# Altium PCB PCB.PcbDoc (part 6 of 10) (continued)
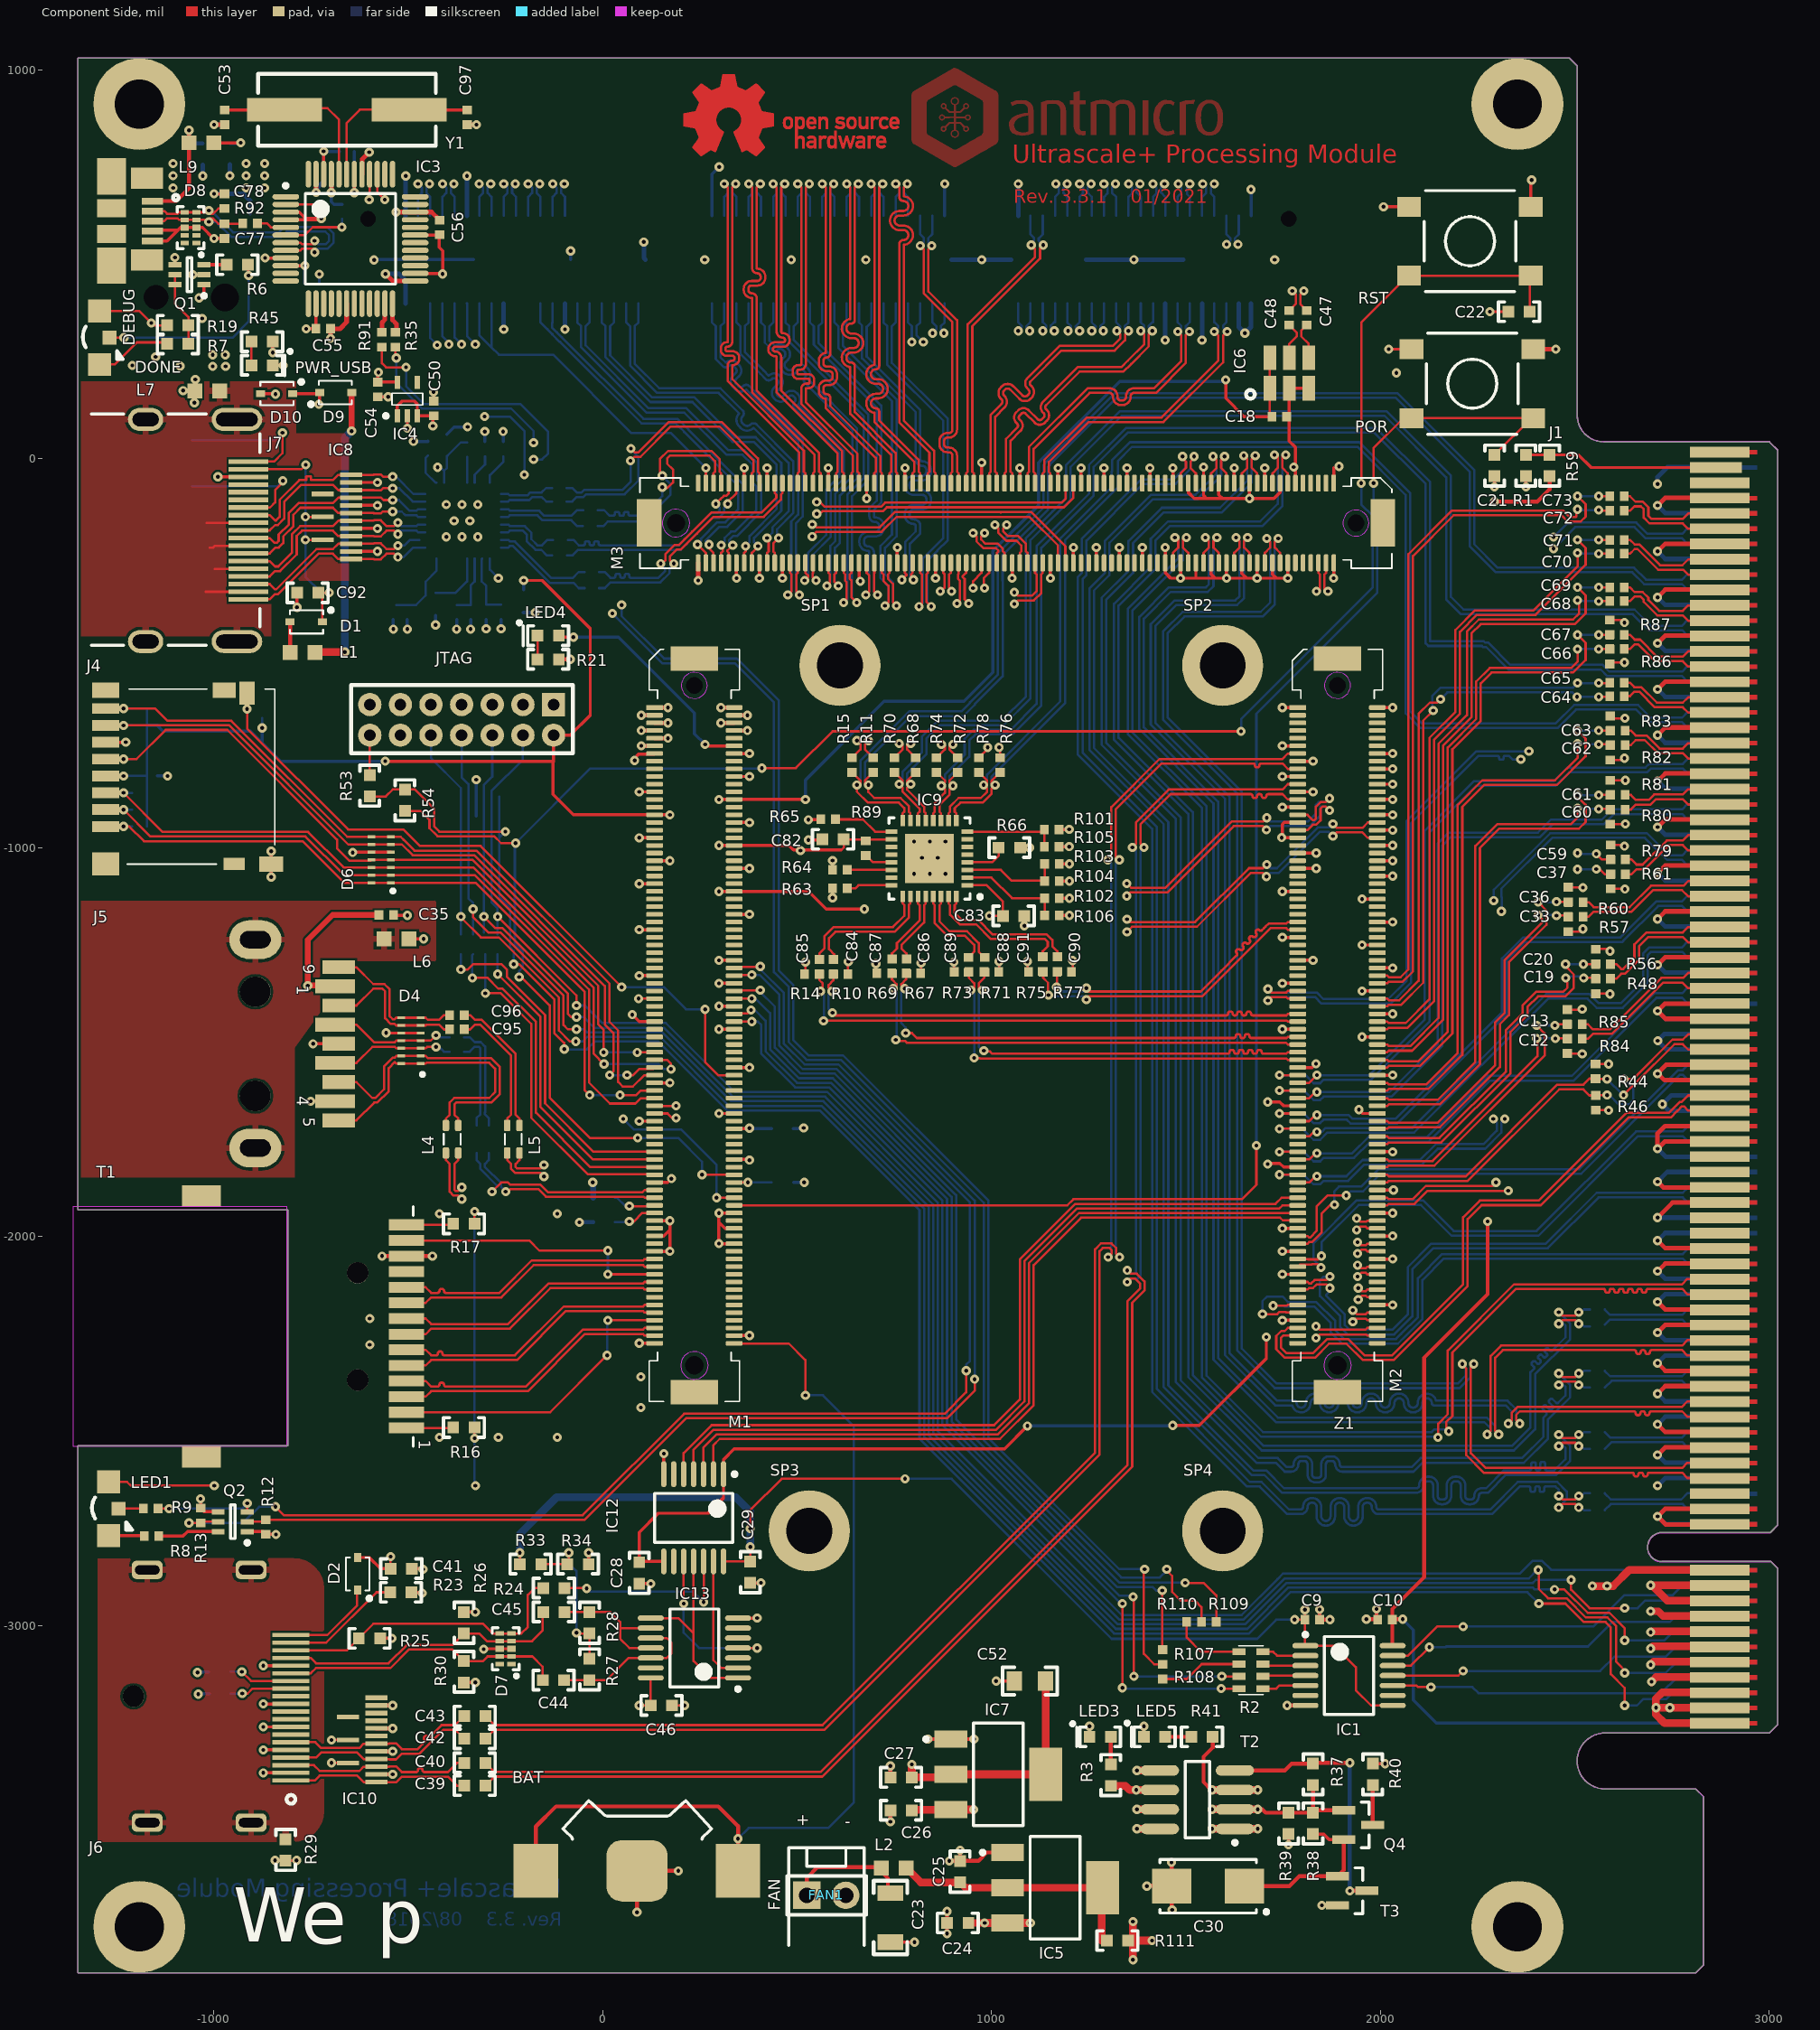
[diagram p0: Component Side view]
## Nets (pads, with @x,y where several pads share a name; then routed paths per layer and width w, separated by ;. In a path a pad name is that pad's centre, name@x,y a point inside that pad or via, vN(x,y) a via of type N, cw(c..) or ccw(c..) an arc to the next point about the centre after c; other vN are vias at no path point) (continued)
PREPROC_LVDS_SSCLK_N: C59.2 M2.132 R79.2 | length 1670.8
  Component Side w5.91: M2.132@1992.13,-1919.29 2017.69,-1919.29 2021.63,-1915.35 2087.6,-1915.35 2121.06,-1881.89 v1@2324.8,-1881.89 ; v1(2555.12,-1015.75) 2569.82,-1030.45 C59.2@2592.13,-1030.45
  Power Plane w5.91: v1(2328.74,-1881.89) 2328.74,-1862.5 2305.81,-1839.57 2301.16,-1839.57 2228.35,-1766.76 2228.35,-1110.24 2291.34,-1047.24 2456.69,-1047.24 2490.64,-1081.19 2519.21,-1081.19 2532.48,-1067.91 2532.48,-1039.37 v1(2506.89,-1013.78)
  Solder Side w5.91: v1(2506.89,-1013.78) 2508.86,-1015.75 v1(2555.12,-1015.75)
PREPROC_LVDS_SSCLK_P: C37.2 M2.130 R61.2 | length 1531.4
  Component Side w5.91: M2.130@1992.13,-1899.61 2017.69,-1899.61 2021.63,-1903.54 2082.7,-1903.54 2117.15,-1869.09 2288.39,-1869.09 v1(2297.24,-1860.24) ; v1(2555.12,-1055.12) 2564.01,-1055.12 2576.75,-1067.85 C37.2@2592.13,-1067.85
  Power Plane w5.91: v1(2297.24,-1860.24) 2297.24,-1855.34 2216.54,-1774.63 2216.54,-1105.34 2286.45,-1035.43 2461.59,-1035.43 2481.8,-1055.65 v1(2506.89,-1055.65)
  Solder Side w5.91: v1(2506.89,-1055.65) 2507.42,-1055.12 v1(2555.12,-1055.12)
PROC_2_BP_SCL: J1.A82
PROC_2_BP_SDA: J1.B82
PROC_LVDS_0_N: J1.A77 M2.77 | length 2345.6
  Component Side w5.91: v1(1710.63,-1392.72) 1719.49,-1383.86 1757.85,-1383.86 1761.79,-1387.8 M2.77@1787.4,-1387.8
  Power Plane w5.91: v1(2361.01,-772.85) 2361.01,-256.14 2406.53,-210.63 2436.02,-210.63 v1(2444.88,-201.77)
  Solder Side w5.91: v1(1710.63,-1392.72) 1719.49,-1383.86 1831.72,-1383.86 1848.45,-1400.59 2025.56,-1400.59 2078.74,-1347.41 2078.74,-937.01 2251.97,-763.78 2300.98,-763.78 cw(c2300.98,-767.91) 2305.12,-767.91 2305.12,-769.65 ccw(c2309.25,-769.65) 2309.25,-773.78 2312.8,-773.78 ccw(c2312.8,-769.65) 2316.93,-769.65 2316.93,-767.91 cw(c2321.06,-767.91) 2321.06,-763.78 2330.71,-763.78 2339.78,-772.85 v1(2361.01,-772.85) ; v1(2444.88,-201.77) 2479.33,-167.32 2492.16,-167.32 2495.61,-163.86 2657.96,-163.86 2687.01,-192.91 2775.56,-192.91 2789.34,-179.13 J1.A77@2870.08,-179.13
PROC_LVDS_0_P: J1.A76 M2.75 | length 2320.5
  Component Side w5.91: v1(1710.63,-1363.19) 1719.49,-1372.05 1757.85,-1372.05 1761.79,-1368.11 M2.75@1787.4,-1368.11
  Power Plane w5.91: v1(2381.89,-751.97) 2381.89,-734.25 2372.82,-725.18 2372.82,-261.04 2411.42,-222.44 2436.02,-222.44 v1(2444.88,-231.3)
  Solder Side w5.91: v1(1710.63,-1363.19) 1719.49,-1372.05 1836.61,-1372.05 1853.35,-1388.78 2020.67,-1388.78 2066.93,-1342.52 2066.93,-932.12 2247.08,-751.97 v1(2381.89,-751.97) ; v1(2444.88,-231.3) 2500.51,-175.67 2653.07,-175.67 2682.12,-204.72 2775.56,-204.72 2789.34,-218.5 J1.A76@2870.08,-218.5
PROC_LVDS_1_N: IC9.16 J1.A74 R15.2 | length 3468.9
  Component Side w5.91: R15.2@641.79,-806.3 663.02,-827.53 663.02,-836.61 661.05,-838.58 v1(654.16,-838.58) 654.16,-855.9 682.12,-883.86 761.81,-883.86 775.65,-897.69 775.65,-907.49 771.71,-911.43 IC9.16@771.71,-930.12
  Solder Side w5.91: v1(654.16,-838.58) 663.02,-829.72 663.02,-775.96 742.13,-696.85 742.13,-695.9 788.41,-649.61 923.23,-649.61 944.88,-627.95 944.88,-626.45 1016.86,-554.48 1016.86,-318.36 1016.8,-318.29 1016.8,-242.53 1133.86,-125.47 1133.86,-16.22 1138.78,-11.29 1138.78,-10.17 1317.76,168.81 2043.78,168.81 2241.17,-28.57 2241.17,-219.54 2301.63,-280.01 2652.05,-280.01 2683.07,-311.02 2775.56,-311.02 2789.34,-297.24 J1.A74@2870.08,-297.24
PROC_LVDS_1_P: IC9.15 J1.A73 R11.2 | length 3435.1
  Component Side w5.91: R11.2@696.06,-806.3 674.83,-827.53 674.83,-836.61 676.8,-838.58 v1(683.69,-838.58) 683.69,-856.92 698.82,-872.05 766.7,-872.05 787.46,-892.8 787.46,-907.49 791.39,-911.43 IC9.15@791.39,-930.12
  Solder Side w5.91: v1(683.69,-838.58) 674.83,-829.72 674.83,-780.85 753.94,-701.74 753.94,-700.79 793.31,-661.42 928.12,-661.42 956.69,-632.84 956.69,-631.34 1028.67,-559.37 1028.67,-313.46 1028.61,-313.4 1028.61,-247.42 1145.67,-130.36 1145.67,-21.11 1150.59,-16.19 1150.59,-15.06 1322.65,157 2038.89,157 2229.36,-33.46 2229.36,-224.44 2296.74,-291.82 2647.16,-291.82 2678.18,-322.83 2775.56,-322.83 2789.34,-336.61 J1.A73@2870.08,-336.61
PROC_LVDS_2_N: IC9.14 J1.A71 R70.2 | length 3410.3
  Component Side w5.91: R70.2@750.34,-806.3 771.57,-827.53 771.57,-834.65 769.6,-836.61 v1(762.71,-836.61) 771.57,-845.47 771.57,-855.99 815.02,-899.44 815.02,-907.49 811.08,-911.43 IC9.14@811.08,-930.12
  Solder Side w5.91: v1(762.71,-836.61) 771.57,-827.76 771.57,-804.16 820.87,-754.86 820.87,-714.62 862.26,-673.23 1026.6,-673.23 1088.58,-611.25 1088.58,-204.15 1157.48,-135.25 1157.48,-134.87 1191.93,-100.42 1191.93,-16.07 1330.05,122.05 2015.72,122.05 2181.1,-43.34 2181.1,-355.29 2213.61,-387.8 2653.54,-387.8 2694.88,-429.13 2775.56,-429.13 2789.34,-415.35 J1.A71@2870.08,-415.35
PROC_LVDS_2_P: IC9.13 J1.A70 R68.2 | length 3391.9
  Component Side w5.91: R68.2@804.61,-806.3 783.38,-827.53 783.38,-834.65 785.35,-836.61 v1(792.24,-836.61) 783.38,-845.47 783.38,-851.1 826.83,-894.55 826.83,-907.49 830.76,-911.43 IC9.13@830.76,-930.12
  Solder Side w5.91: v1(792.24,-836.61) 783.38,-827.76 783.38,-809.06 832.68,-759.76 832.68,-719.52 867.16,-685.04 1031.5,-685.04 1100.39,-616.14 1100.39,-209.04 1169.29,-140.14 1169.29,-139.76 1203.74,-105.31 1203.74,-20.97 1334.94,110.24 2010.83,110.24 2169.29,-48.23 2169.29,-362.2 2206.69,-399.61 2648.65,-399.61 2689.99,-440.94 2775.56,-440.94 2789.34,-454.72 J1.A70@2870.08,-454.72
PROC_LVDS_3_N: IC9.12 J1.A68 R74.2 | length 3353.6
  Component Side w5.91: IC9.12@850.45,-930.12 850.45,-911.43 854.39,-907.49 854.39,-884.82 880.12,-859.09 880.12,-849.41 v1(871.26,-840.55) 880.12,-831.69 880.12,-826.77 859.64,-806.3 R74.2@858.89,-806.3
  Solder Side w5.91: v1(871.26,-840.55) 880.12,-831.69 880.12,-812.04 931.1,-761.05 931.1,-719.52 953.77,-696.85 1049.21,-696.85 1116.14,-629.92 1116.14,-224.41 1250.98,-89.57 1250.98,-16.07 1345.8,78.74 1989.14,78.74 2127.95,-60.07 2127.95,-469.52 2265.81,-469.52 2268.73,-472.44 2276.55,-472.44 2334.11,-530 2571.34,-530 2588.58,-547.24 2775.56,-547.24 2789.34,-533.46 J1.A68@2870.08,-533.46
PROC_LVDS_3_P: IC9.11 J1.A67 R72.2 | length 3334
  Component Side w5.91: IC9.11@870.13,-930.12 870.13,-911.43 866.2,-907.49 866.2,-889.71 891.93,-863.98 891.93,-849.41 v1(900.79,-840.55) 891.93,-831.69 891.93,-826.77 892.69,-826.77 R72.2@913.16,-806.3
  Solder Side w5.91: v1(900.79,-840.55) 891.93,-831.69 891.93,-816.93 942.91,-765.94 942.91,-724.41 958.66,-708.66 1054.11,-708.66 1127.95,-634.81 1127.95,-229.3 1262.8,-94.46 1262.8,-20.97 1350.69,66.93 1984.25,66.93 2116.14,-64.96 2116.14,-474.41 2123.06,-481.33 2260.91,-481.33 2263.84,-484.25 2271.65,-484.25 2329.22,-541.82 2566.45,-541.82 2583.69,-559.05 2775.56,-559.05 2789.34,-572.83 J1.A67@2870.08,-572.83
PROC_LVDS_4_SSCLK_N: IC9.10 J1.A65 R78.2 | length 3434.9
  Component Side w5.91: IC9.10@889.82,-930.12 889.82,-911.43 893.76,-907.49 893.76,-893.71 915.42,-872.05 972.52,-872.05 988.67,-855.9 988.67,-847.44 v1(979.81,-838.58) 984.73,-838.58 988.67,-834.65 988.67,-827.53 R78.2@967.43,-806.3
  Solder Side w5.91: v1(979.81,-838.58) 988.67,-829.72 988.67,-812.04 1177.17,-623.54 1177.17,-204.72 1309.53,-72.36 1309.53,-32.69 1310.04,-32.18 1310.04,-3.97 1356.33,42.32 1945.87,42.32 2076.77,-88.58 2076.77,-649.61 2107.79,-680.62 2450.31,-680.62 2498.06,-632.87 2662.4,-632.87 2694.88,-665.35 2775.56,-665.35 2789.34,-651.57 J1.A65@2870.08,-651.57
PROC_LVDS_4_SSCLK_P: IC9.9 J1.A64 R76.2 | length 3415.3
  Component Side w5.91: IC9.9@909.5,-930.12 909.5,-911.43 905.57,-907.49 905.57,-898.6 920.31,-883.86 977.41,-883.86 1000.48,-860.8 1000.48,-847.44 v1(1009.33,-838.58) 1004.41,-838.58 1000.48,-834.65 1000.48,-827.53 R76.2@1021.71,-806.3
  Solder Side w5.91: v1(1009.33,-838.58) 1000.48,-829.72 1000.48,-816.93 1188.98,-628.43 1188.98,-209.62 1324.8,-73.79 1324.8,-5.91 1361.22,30.51 1940.97,30.51 2064.96,-93.47 2064.96,-654.5 2102.9,-692.44 2455.2,-692.44 2502.95,-644.68 2657.51,-644.68 2689.99,-677.16 2775.56,-677.16 2789.34,-690.94 J1.A64@2870.08,-690.94
PROC_LVDS_5_N: J1.A62 M2.99 | length 1714.8
  Component Side w5.91: M2.99@1787.4,-1604.33 1816.93,-1604.33 v1(1836.61,-1584.65)
  Solder Side w5.91: v1(1836.61,-1584.65) 1971.49,-1584.65 2114.17,-1441.96 2114.17,-955.74 2241.17,-828.74 2445.9,-828.74 2480.34,-794.29 2681.13,-794.29 2690.92,-784.5 2777.53,-784.5 2791.31,-770.73 J1.A62@2872.05,-770.73
PROC_LVDS_5_P: J1.A61 M2.97 | length 1813.3
  Component Side w5.91: v1(1740.16,-1584.65) M2.97@1787.4,-1584.65
  Solder Side w5.91: v1(1740.16,-1584.65) 1807.38,-1584.65 1828.05,-1605.31 1845.18,-1605.31 1854.03,-1596.46 1976.38,-1596.46 2125.98,-1446.85 2125.98,-960.63 2246.06,-840.55 2450.79,-840.55 2485.24,-806.1 2686.02,-806.1 2695.81,-796.32 2777.53,-796.32 2791.31,-810.1 J1.A61@2872.05,-810.1
PROC_LVDS_6_N: J1.A59 M2.103 | length 1702.9
  Component Side w5.91: M2.103@1787.4,-1643.7 1816.93,-1643.7 1836.61,-1624.02 v1(1836.61,-1627.95)
  Solder Side w5.91: v1(1836.61,-1627.95) 2023.63,-1627.95 2147.64,-1503.94 2147.64,-989.2 2175.7,-961.14 2405.06,-961.14 2438.38,-927.82 2569.25,-927.82 2595.5,-901.57 2775.56,-901.57 2789.34,-887.79 J1.A59@2870.08,-887.79
PROC_LVDS_6_P: J1.A58 M2.101 | length 1799.1
  Component Side w5.91: v1(1740.16,-1624.02) M2.101@1787.4,-1624.02
  Solder Side w5.91: v1(1740.16,-1624.02) 1803.45,-1624.02 1828.05,-1648.62 1845.17,-1648.62 1854.03,-1639.76 2028.52,-1639.76 2159.45,-1508.83 2159.45,-994.09 2180.6,-972.95 2409.96,-972.95 2443.27,-939.63 2574.14,-939.63 2600.39,-913.39 2775.57,-913.39 2789.34,-927.16 J1.A58@2870.08,-927.16
PROC_LVDS_7_N: J1.A53 M2.109 | length 1425.2
  Component Side w5.91: M2.109@1787.4,-1702.76 1816.93,-1702.76 1836.61,-1683.07 v1(1836.61,-1687)
  Solder Side w5.91: v1@1842.51,-1681.1 v1(1836.61,-1687) 1918.27,-1687 1928.12,-1696.85 2038.41,-1696.85 2312.8,-1422.47 2312.8,-1284.67 2367.16,-1230.31 2617.16,-1230.31 2709.68,-1137.79 2775.56,-1137.79 2789.34,-1124.02 J1.A53@2870.08,-1124.02
PROC_LVDS_7_P: J1.A52 M2.107 | length 1510
  Component Side w5.91: v1(1740.16,-1683.07) M2.107@1787.4,-1683.07
  Solder Side w5.91: v1(1740.16,-1683.07) 1803.15,-1683.07 1827.75,-1707.67 1845.17,-1707.67 1854.03,-1698.82 1913.38,-1698.82 1923.23,-1708.66 2043.31,-1708.66 2324.61,-1427.36 2324.61,-1289.57 2372.05,-1242.13 2622.05,-1242.13 ; 2624.21,-1239.96 2714.57,-1149.61 2775.56,-1149.61 2789.34,-1163.39 J1.A52@2870.08,-1163.39
PROC_LVDS_8_N: J1.A50 M2.113 | length 1362
  Component Side w5.91: M2.113@1787.4,-1742.13 1816.93,-1742.13 1836.61,-1722.44 v1(1836.61,-1730.31)
  Solder Side w5.91: v1(1836.61,-1730.31) 1849.14,-1730.31 1858.98,-1720.47 2082.02,-1720.47 2426.51,-1375.98 2537.32,-1375.98 2560.94,-1399.61 2618.11,-1399.61 2675.2,-1342.52 2675.2,-1271.73 2691.02,-1255.91 2775.56,-1255.91 2789.34,-1242.13 J1.A50@2870.08,-1242.13
PROC_LVDS_8_P: J1.A49 M2.111 | length 1455.9
  Component Side w5.91: v1(1740.16,-1722.44) M2.111@1787.4,-1722.44
  Solder Side w5.91: v1(1740.16,-1722.44) 1799.51,-1722.44 1828.05,-1750.98 1845.17,-1750.98 1863.87,-1732.28 2086.91,-1732.28 2431.4,-1387.8 2532.42,-1387.8 2556.05,-1411.42 2623,-1411.42 2687.01,-1347.41 2687.01,-1276.62 2695.91,-1267.72 2775.56,-1267.72 2789.34,-1281.5 J1.A49@2870.08,-1281.5
PROC_LVDS_9_N: J1.A47 M2.119 | length 1270.9
  Component Side w5.91: M2.119@1787.4,-1801.18 1816.93,-1801.18 1836.61,-1781.5 v1(1836.61,-1785.43)
  Solder Side w5.91: v1(1836.61,-1785.43) 1927.17,-1785.43 1968.5,-1744.09 2119.12,-1744.09 2276.6,-1586.61 2492.13,-1586.61 2704.72,-1374.02 2775.56,-1374.02 2789.34,-1360.24 J1.A47@2870.08,-1360.24
PROC_LVDS_9_P: J1.A46 M2.117 | length 1367.1
  Component Side w5.91: v1(1740.16,-1781.5) M2.117@1787.4,-1781.5
  Solder Side w5.91: v1(1740.16,-1781.5) 1803.45,-1781.5 1828.05,-1806.1 1845.17,-1806.1 1854.03,-1797.24 1932.06,-1797.24 1973.4,-1755.91 2124.02,-1755.91 2281.5,-1598.43 2497.02,-1598.43 2709.62,-1385.83 2775.56,-1385.83 2789.34,-1399.61 J1.A46@2870.08,-1399.61
PROC_LVDS_SSCLK_N: J1.A56 M2.125 | length 1863.8
  Component Side w5.91: M2.125@1787.4,-1860.24 1816.93,-1860.24 1836.61,-1840.55 v1(1836.61,-1844.48)
  Power Plane w5.91: v1(2291.34,-1135.83) 2290.35,-1136.81 2290.35,-1171.95 2299.21,-1180.81 2299.21,-1208.66 v1@2299.21,-1692.91
  Solder Side w5.91: v1(1836.61,-1844.48) 1912.4,-1844.48 1954.25,-1802.64 2101.88,-1802.64 2142.73,-1761.79 2264.81,-1761.79 2299.21,-1727.39 2299.21,-1705.71 v1(2290.35,-1696.85) ; v1(2291.34,-1135.83) 2291.34,-1108.27 2437.01,-962.6 2685.04,-962.6 2742.13,-1019.68 2775.56,-1019.68 2789.34,-1005.91 J1.A56@2870.08,-1005.91
PROC_LVDS_SSCLK_P: J1.A55 M2.123 | length 1953.5
  Component Side w5.91: v1(1740.16,-1840.55) M2.123@1787.4,-1840.55
  Power Plane w5.91: v1@2311.02,-1692.91 2311.02,-1213.55 v1(2311.02,-1163.39)
  Solder Side w5.91: v1(1740.16,-1840.55) 1803.45,-1840.55 1828.05,-1865.15 1845.17,-1865.15 1854.03,-1856.3 1917.29,-1856.3 1959.14,-1814.45 2106.81,-1814.45 2110.24,-1811.02 2147.62,-1773.61 2269.7,-1773.61 2311.02,-1732.28 2311.02,-1705.71 v1(2319.88,-1696.85) ; v1(2311.02,-1163.39) 2312.01,-1162.4 2312.01,-1127.27 2311.02,-1126.28 2311.02,-1105.29 2441.9,-974.41 2680.15,-974.41 2737.23,-1031.5 2775.56,-1031.5 2789.34,-1045.28 J1.A55@2870.08,-1045.28
PS_POR#: C21.2 M1.132 POR.3 POR.4 | length 3967.1
  Component Side w5.91: M1.132@338.58,-1919.29 1195,-1919.29 1210.75,-1903.54 1643.7,-1903.54 1681.1,-1866.14 v1(1681.1,-1765.75) ; v1(1982.28,-62.99) 1982.28,27.56 2059.06,104.33 POR.3@2079.72,104.33 POR.4@2387.85,104.33 ; C21.2@2293.31,9.78 POR.4@2387.85,104.33 ; POR.4@2392.72,104.33 POR.4@2387.85,104.33
  Solder Side w5.91: v1(1681.1,-1765.75) 1681.1,-655.51 1992.17,-344.44 1992.17,-142.5 1982.28,-132.62 v1(1982.28,-62.99)
PS_SRST#: C22.2 M1.124 R54.2 RST.3 RST.4 | length 5386.7
  Component Side w5.91: R54.2@-507.87,-905.51 R54.2@-507.87,-905.45 -467.55,-905.45 -444.88,-928.12 -444.88,-949.77 -424.18,-970.47 -278.53,-970.47 -260.81,-988.19 v1(-223.43,-988.19) v1@-225.39,-986.22 ; v1(-214.45,-1332.68) -208.66,-1332.68 -135.83,-1405.51 -135.83,-1642.5 -32.26,-1746.06 v1(90.55,-1746.06) ; v1(255.91,-1840.55) 301.18,-1840.55 M1.124@338.58,-1840.55 ; v1(409.45,-795.28) 497.3,-795.28 591.79,-700.79 v1(1641.73,-700.79) ; v1(1950.79,-62.99) 1950.79,350.39 2070.87,470.47 RST.3@2073.82,470.47 RST.4@2386.81,470.47 2383.8,467.46 C22.2@2383.8,377.95
  Solder Side w5.91: v1(-214.45,-1332.68) -214.45,-1316.81 -204.72,-1307.09 -204.72,-1267.42 -225.39,-1246.75 -225.39,-991.14 -228.35,-988.19 v1(-223.43,-988.19) -31.5,-796.26 408.46,-796.26 v1(409.45,-795.28) ; v1(90.55,-1746.06) 194.88,-1746.06 255.91,-1807.09 v1(255.91,-1840.55) ; v1(1641.73,-700.79) 1641.73,-669.29 1980.36,-330.66 1980.36,-147.4 1950.79,-117.82 v1(1950.79,-62.99)
PWR_EN: M1.10
PWR_GOOD: LED4.A M1.12 | length 600
  Component Side w8: LED4.A@-112.26,-454.72 -108.33,-458.66 v1(-74.8,-458.66) ; v1(263.78,-734.25) ccw(c267.72,-734.25) 267.72,-738.19 M1.12@338.58,-738.19
  Solder Side w8: v1(-74.8,-458.66) 41.34,-458.66 236.22,-653.54 236.22,-706.69 v1(263.78,-734.25)
S3_P2_N: J2.38 M3.97 | length 772.2
  Component Side w5.91: M3.97@935.04,-62.99 935.04,-37.41 938.98,-33.48 938.98,345.44 1112.15,518.61 1112.15,539.43 v1(1102.36,549.21)
  Solder Side w5.91: J2.38@1100.45,624.61 1100.45,576.76 1109.73,567.48 v1@1109.73,555.59 ; v1(1102.36,549.21) v1@1109.24,556.09
S3_P2_P: J2.36 M3.95 | length 773.6
  Component Side w5.91: M3.95@954.72,-62.99 954.72,-37.41 950.79,-33.48 950.79,340.55 1125,514.76 1125,541.4 v1(1132.81,549.21)
  Solder Side w5.91: J2.36@1131.95,624.61 1131.95,576.76 1121.54,566.35 1121.54,560.49 v1(1132.81,549.21)
SDIO_CD#: J4.9 M1.98 R20.1 | length 1792.6
  Component Side w5.91: J4.9@-913.67,-602.83 v1(-913.67,-643.23) -913.67,-693.33 -654,-953 -512,-953 -469.43,-995.57 -313.49,-995.57 v1(49.21,-1358.27) ; v1(263.78,-1415.35) 263.78,-1551.18 297.24,-1584.65 M1.98@338.58,-1584.65
  Solder Side w5.91: v1(-913.67,-643.23) v1@-912.9,-644 ; v1(49.21,-1358.27) 157.48,-1358.27 214.57,-1415.35 v1(263.78,-1415.35)
SDIO_CLK: D6.11 J4.5 M1.91 R47.1 | length 1904.5
  Component Side w5.91: J4.5@-1277.41,-772.12 v1(-1231.46,-772.12) -1198.12,-772.12 -1123.32,-697.31 -964.39,-697.31 -682.58,-979.12 -682.58,-1001.48 -651.09,-1032.97 -595.57,-1032.97 D6.11@-593.61,-1031 D6.11@-544.39,-1031 -334.89,-1031 -10.83,-1355.06 -10.83,-1454 3,-1467.83 v1(3,-1526) ; v1@98.87,-1525.59 M1.91@133.86,-1525.59
  Solder Side w5.91: v1(-1231.46,-772.12) R47.1@-1209.36,-772.12 ; v1(3,-1526) v1(89,-1526)
SDIO_CMD: D6.12 J4.3 M1.93 R49.1 | length 1928.7
  Component Side w5.91: J4.3@-1277.41,-858.73 v1(-1231.46,-858.73) -1130.82,-959.38 -756.92,-959.38 -665.61,-1050.69 D6.12@-593.61,-1050.69 D6.12@-544.39,-1050.69 -331.91,-1050.69 -22.64,-1359.96 -22.64,-1529.59 3.77,-1556 v1(4,-1556) ; M1.93@133.86,-1545.28 165.5,-1545.28 176,-1555.77 v1(176,-1568.9)
  Solder Side w5.91: v1(-1231.46,-858.73) R49.1@-1209.36,-858.73 ; v1(4,-1556) 144.58,-1556 157.48,-1568.9 v1(176,-1568.9)
SDIO_D0: D6.9 J4.7 M1.95 R43.1 | length 1958.5
  Component Side w5.91: J4.7@-1277.41,-685.5 v1(-1231.46,-685.5) -959.5,-685.5 -653.37,-991.63 D6.9@-593.61,-991.63 D6.9@-544.39,-991.63 -515.83,-991.63 -488.28,-1019.19 -330,-1019.19 6,-1355.19 6,-1454 28.19,-1476.19 28.19,-1574.81 v1(18.35,-1584.65) ; v1@64.19,-1576 64,-1576 63,-1577 v1(63,-1584.65) 78.74,-1584.65 94.91,-1568.48 130.34,-1568.48 M1.95@133.86,-1564.96
  Solder Side w5.91: v1(-1231.46,-685.5) R43.1@-1209.36,-685.5 ; v1(18.35,-1584.65) v1(63,-1584.65)
SDIO_D1: D6.8 J4.8 M1.97 R42.1 | length 1983.4
  Component Side w5.91: J4.8@-1277.41,-642.2 v1(-1231.46,-642.2) -1149.8,-642.2 -1118.31,-673.69 -954.6,-673.69 -656.35,-971.94 D6.8@-593.61,-971.94 D6.8@-544.39,-971.94 -518.99,-971.94 -511.12,-979.82 -510.94,-979.82 -483.38,-1007.38 -323.65,-1007.38 17.81,-1348.84 17.81,-1447.81 40,-1470 40,-1602 52,-1614 78,-1614 107.35,-1584.65 M1.97@133.86,-1584.65
  Solder Side w5.91: v1(-1231.46,-642.2) R42.1@-1209.36,-642.2
SDIO_D2: D6.14 J4.1 M1.101 R51.1 | length 1872.4
  Component Side w5.91: J4.1@-1277.41,-945.35 v1(-1231.46,-945.35) -1216.65,-945.35 -1179,-983 -771,-983 -663.94,-1090.06 D6.14@-593.61,-1090.06 D6.14@-544.39,-1090.06 -325.94,-1090.06 -46.26,-1369.74 -46.26,-1622.56 v1(-33,-1635.82) ; v1(45,-1635.82) 86.62,-1635.82 98.43,-1624.02 M1.101@133.86,-1624.02
  Solder Side w5.91: v1(-1231.46,-945.35) R51.1@-1209.36,-945.35 ; v1(-33,-1635.82) v1(45,-1635.82)
SDIO_D3: D6.13 J4.2 M1.103 R50.1 | length 1892.1
  Component Side w5.91: J4.2@-1277.41,-902.04 v1(-1231.46,-902.04) -1162.32,-971.19 -763.81,-971.19 -664.63,-1070.37 D6.13@-593.61,-1070.37 D6.13@-544.39,-1070.37 -328.93,-1070.37 -34.45,-1364.85 -34.45,-1604.03 19,-1657.48 84.65,-1657.48 98.43,-1643.7 M1.103@133.86,-1643.7
  Solder Side w5.91: v1(-1231.46,-902.04) R50.1@-1209.36,-902.04
SHIELD2: J7.2 J7.5 J7.8 J7.11 J7.S L7.2 | length 406.9
  Component Side w5.91: -1020.09,-341.94 J7.2@-910.08,-341.94 ; -1018.22,-164.78 J7.11@-910.08,-164.78 ; -1009.84,-228.35 -1001,-228.35 -996.49,-223.83 J7.8@-910.08,-223.83 ; -997.19,-282.89 J7.5@-910.08,-282.89
SPI_S1_CLK: J2.97 M3.166 | length 993.6
  Component Side w5.91: v1(244.09,-220.47) 265.75,-242.14 M3.166@265.75,-267.72
  Solder Side w5.91: J2.97@-159.51,399.02 -159.51,350.38 -141.81,332.68 -141.73,332.68 -129,319.94 -129,319.22 -109.97,300.2 -109.25,300.2 100.39,90.55 188.16,90.55 197.02,81.69 197.54,81.69 209.65,69.59 209.65,69.07 348.43,-69.71 348.43,-130.93 315.94,-163.41 295.28,-163.41 252.95,-205.74 252.95,-211.61 v1(244.09,-220.47)
SPI_S1_CS: J2.95 M3.164 | length 982.9
  Component Side w5.91: v1(273.62,-220.47) 273.62,-230.33 285.43,-242.14 M3.164@285.43,-267.72
  Solder Side w5.91: J2.95@-128.01,399.02 -128.01,350.38 -129.92,348.47 -129.92,337.57 -117.19,324.83 -117.19,324.12 -105.08,312.01 -104.36,312.01 105.29,102.36 193.06,102.36 201.91,93.5 202.43,93.5 221.46,74.48 221.46,73.96 360.24,-64.82 360.24,-135.83 320.84,-175.23 300.17,-175.23 264.76,-210.63 264.76,-211.61 v1(273.62,-220.47)
SPI_S1_MISO: J2.89 M3.160 | length 989.2
  Component Side w5.91: M3.160@324.8,-267.72 324.8,-242.14 320.87,-238.2 320.87,-236.22 v1(334.65,-222.44)
  Solder Side w5.91: J2.89@-33.52,399.02 -33.52,350.38 -43.37,340.54 -43.37,291.4 118.11,129.92 215.52,129.92 323.61,21.83 364.65,21.83 396.65,-10.17 396.65,-10.83 397.64,-11.81 397.64,-56.19 407.48,-66.03 407.48,-136.75 345.39,-198.85 335.6,-198.85 325.79,-208.66 325.79,-213.58 v1(334.65,-222.44)
SPI_S1_MOSI: J2.91 M3.162 | length 985.2
  Component Side w5.91: M3.162@305.12,-267.72 305.12,-242.14 309.06,-238.2 309.06,-226.38 v1(305.12,-222.44)
  Solder Side w5.91: J2.91@-65.02,399.02 -65.02,350.38 -55.18,340.54 -55.18,286.51 113.22,118.11 210.63,118.11 318.72,10.02 359.76,10.02 384.84,-15.06 384.84,-15.72 385.83,-16.7 385.83,-61.08 395.67,-70.92 395.67,-131.86 340.49,-187.04 330.71,-187.04 313.98,-203.77 313.98,-213.58 v1(305.12,-222.44)
SPI_S2_CLK: J2.16 R57.1 | length 2936.9
  Component Side w5.91: R57.1@2483.07,-1215.75 2513.25,-1215.75 v1(2520.33,-1208.66)
  Signal Layer 1 w5.91: v1(1444.94,706.69) 1436.08,715.55 1436.08,742.38 1463.89,770.19 1722.11,770.19 1874.02,618.28 1874.02,200.79 2003.94,70.87 2003.94,-96.46 1998.57,-101.83 1995.11,-105.29 1995.11,-476.32 2078.74,-559.95 2078.74,-965.52 2207.07,-1093.85 2467.86,-1093.85 2520.33,-1146.32 v1(2520.33,-1208.66)
  Solder Side w5.91: v1(1444.94,706.69) 1436.08,697.83 1436.08,684.04 1446.91,673.21 J2.16@1446.91,624.61
SPI_S2_CS: J2.18 R60.1 | length 2877.6
  Component Side w5.91: R60.1@2483.07,-1101.18 2484.25,-1102.36 v1(2520.33,-1102.36)
  Signal Layer 1 w5.91: v1(1415.41,706.69) 1424.27,715.55 1424.27,747.27 1459,782 1727,782 1885.83,623.17 1885.83,205.68 2015.75,75.76 2015.75,-101.35 2006.92,-110.18 2006.92,-471.43 2090.55,-555.06 2090.55,-960.63 2211.96,-1082.04 2500.01,-1082.04 v1(2520.33,-1102.36)
  Solder Side w5.91: J2.18@1415.41,624.61 1415.41,673.21 1424.27,682.07 1424.27,697.83 v1(1415.41,706.69)
SPI_S2_MISO: J2.6 R46.1 | length 2984.2
  Component Side w5.91: R46.1@2553.74,-1674.41 2585.83,-1674.41 v1(2586.61,-1675.2)
  Signal Layer 1 w5.91: v1(1604.33,551.18) 1613.19,542.32 1613.19,494.09 1613.19,403.57 1797.83,218.93 1797.83,-108.7 1775.59,-130.93 1775.59,-218.5 1727.36,-266.73 1727.36,-354.33 1777.56,-404.53 1777.56,-1122.55 2227.45,-1572.45 2507.25,-1572.45 2523.62,-1588.82 2523.62,-1635.83 2562.99,-1675.2 v1(2586.61,-1675.2)
  Solder Side w5.91: v1(1604.33,551.18) 1614.23,561.08 1614.23,566.92 1604.39,576.76 J2.6@1604.39,624.61
SPI_S2_MOSI: J2.4 R44.1 | length 2895.9
  Component Side w5.91: R44.1@2553.15,-1555.91 2586.45,-1555.91 v1(2586.61,-1556.07)
  Signal Layer 1 w5.91: v1(1633.86,551.18) 1625,542.32 1625,408.46 1809.64,223.83 1809.64,-113.59 1787.4,-135.83 1787.4,-223.4 1739.17,-271.62 1739.17,-349.44 1789.37,-399.64 1789.37,-1117.66 2232.35,-1560.64 2582.05,-1560.64 v1(2586.61,-1556.07)
  Solder Side w5.91: v1(1633.86,551.18) 1626.04,559 1626.04,566.92 1635.89,576.76 J2.4@1635.89,624.61
SYS_RES_N_S1: J2.44 M3.99 | length 773.4
  Component Side w5.91: v1(846.46,547.24) 837.6,538.39 837.6,430.12 911.42,356.3 911.42,75 cw(c890.55,75) 890.55,54.13 887.01,54.13 ccw(c887.01,45.08) 877.95,45.08 877.95,37.6 ccw(c887.01,37.6) 887.01,28.54 890.55,28.54 cw(c890.55,7.68) 911.42,7.68 911.42,-33.48 915.35,-37.41 M3.99@915.35,-62.99
  Solder Side w5.91: v1(846.46,547.24) 837.6,556.1 837.6,566.92 847.44,576.76 848.37,576.76 J2.44@848.37,624.61
SYS_RES_N_S2: J2.23 M3.91 | length 777.7
  Component Side w5.91: M3.91@994.09,-62.99 994.09,-37.41 998.03,-33.48 998.03,112.73 1025.33,140.03 ccw(c1018.86,146.51) 1028.01,146.51 ccw(c1018.86,146.51) 1025.35,152.96 1024.36,153.95 cw(c1039.18,168.78) 1024.36,183.6 1026.72,185.97 cw(c1041.55,171.14) 1056.37,185.97 1079.62,162.72 ccw(c1086.09,169.2) 1092.56,162.72 1094.93,165.09 ccw(c1088.46,171.56) 1097.61,171.56 ccw(c1088.46,171.56) 1094.95,178.02 1092.14,180.82 cw(c1105.17,193.83) 1092.15,206.85 1175.11,289.81 1312.11,289.81 1331.51,309.22 1331.51,319.88 v1(1322.65,328.74)
  Solder Side w5.91: J2.23@1320.92,399.02 1320.92,350.38 1330.77,340.54 v1@1330.77,336.67 ; v1(1322.65,328.74) v1@1328.05,334.14
T_EXP1_S1: J2.109 M3.71 | length 1881.4
  Component Side w5.91: v1@560,-112 571.19,-123.19 716.11,-123.19 726.3,-113 1181,-113 1191,-103 1191,-63.05 M3.71@1190.94,-62.99
  Signal Layer 1 w5.91: v1(-327,294) -319,294 -276,251 -185.38,251 18.43,47.19 18.43,3.57 47.67,-25.67 80.56,-25.67 83.59,-22.64 162.1,-22.64 233.88,-94.41 233.88,-95.47 335.47,-95.47 362,-122 532,-122 542.77,-111.23 v1(551,-111.23)
  Solder Side w5.91: J2.109@-348.48,399.02 -348,398.53 -348,315 v1(-327,294)
T_EXP1_S2: J2.115 M3.74 | length 2041.1
  Component Side w5.91: v1@539,-198 540,-198 550,-188 717.7,-188 756.37,-149.33 1017.56,-149.33 1018.04,-149.81 1029.94,-149.81 1030.44,-149.31 1097.61,-149.31 1171.26,-222.96 M3.74@1171.26,-267.72 M3.74@1172.24,-268.7
  Signal Layer 1 w5.91: v1(-425,292) -379,246 -324,246 -270,192 -176.49,192 -17,32.51 -17,-12.88 88.12,-118 206.3,-118 255.3,-167 460,-167 481,-188 527,-188 v1(539,-200)
  Solder Side w5.91: J2.115@-442.97,399.02 -442.97,309.97 v1(-425,292) ; v1@-423,294 v1@-421,292
T_EXP2_S1: J2.111 M3.69 | length 1952.6
  Component Side w5.91: v1@560.81,-139.81 565.62,-135 721,-135 731.19,-124.81 1186.19,-124.81 1210.63,-100.37 M3.69@1210.63,-62.99
  Signal Layer 1 w5.91: v1(-362.2,294) -362.2,277.83 -354,269.62 -314.22,269.62 -260.22,215.62 -166.7,215.62 6.62,42.3 6.62,-3.1 97.9,-94.38 216.08,-94.38 264.08,-142.38 467,-142.38 475.38,-134 531.81,-134 539.62,-141.81 v1(551,-141.81)
  Solder Side w5.91: J2.111@-379.98,399.02 -379.98,311.78 v1(-362.2,294)
T_EXP2_S2: J2.113 M3.72 | length 2024.6
  Component Side w5.91: v1(539,-169) 542.21,-169 549.4,-176.19 712.81,-176.19 751.48,-137.52 1022.45,-137.52 1022.93,-138 1025.05,-138 1025.55,-137.5 1102.5,-137.5 1189.96,-224.96 1189.96,-266.73 M3.72@1190.94,-267.72
  Signal Layer 1 w5.91: v1(-395,294) -395,284 -368.81,257.81 -319.11,257.81 -265.11,203.81 -171.6,203.81 -5.19,37.4 -5.19,-7.99 93.01,-106.19 211.19,-106.19 260.19,-155.19 464.89,-155.19 485.89,-176.19 531.81,-176.19 v1(539,-169)
  Solder Side w5.91: J2.113@-411.48,399.02 -411.48,314.48 v1@-393,296
UART_RX: M1.105 R35.1 | length 2463.4
  Component Side w5.91: R35.1@-533,287.1 -533,262 v1(-530,259) ; M1.105@133.86,-1663.39 v1(188.98,-1663.39)
  Signal Layer 1 w5.91: v1(-177.17,41.34) -156.34,41.34 -100,-15 -100,-339.3 19,-458.3 19,-1424.3 88.22,-1493.52 102.45,-1493.52 121.48,-1512.55 121.48,-1548.92 117.13,-1553.27 117.13,-1591.54 v1(188.98,-1663.39)
  Solder Side w5.91: v1(-530,259) -530,194 -464.94,128.94 -235.24,128.94 -177.17,70.87 v1(-177.17,41.34)